# Altium PCB DesignProject_00.PcbDoc (part 2 of 2)
Units mil, origin at the board's own origin, x right, y up, seen from the top; angles counter-clockwise.
Board outline 3250 x 2010 mil, 2 copper layers (Top Layer, Bottom Layer); 143 components, 116 nets, 553 pads, 186 vias.
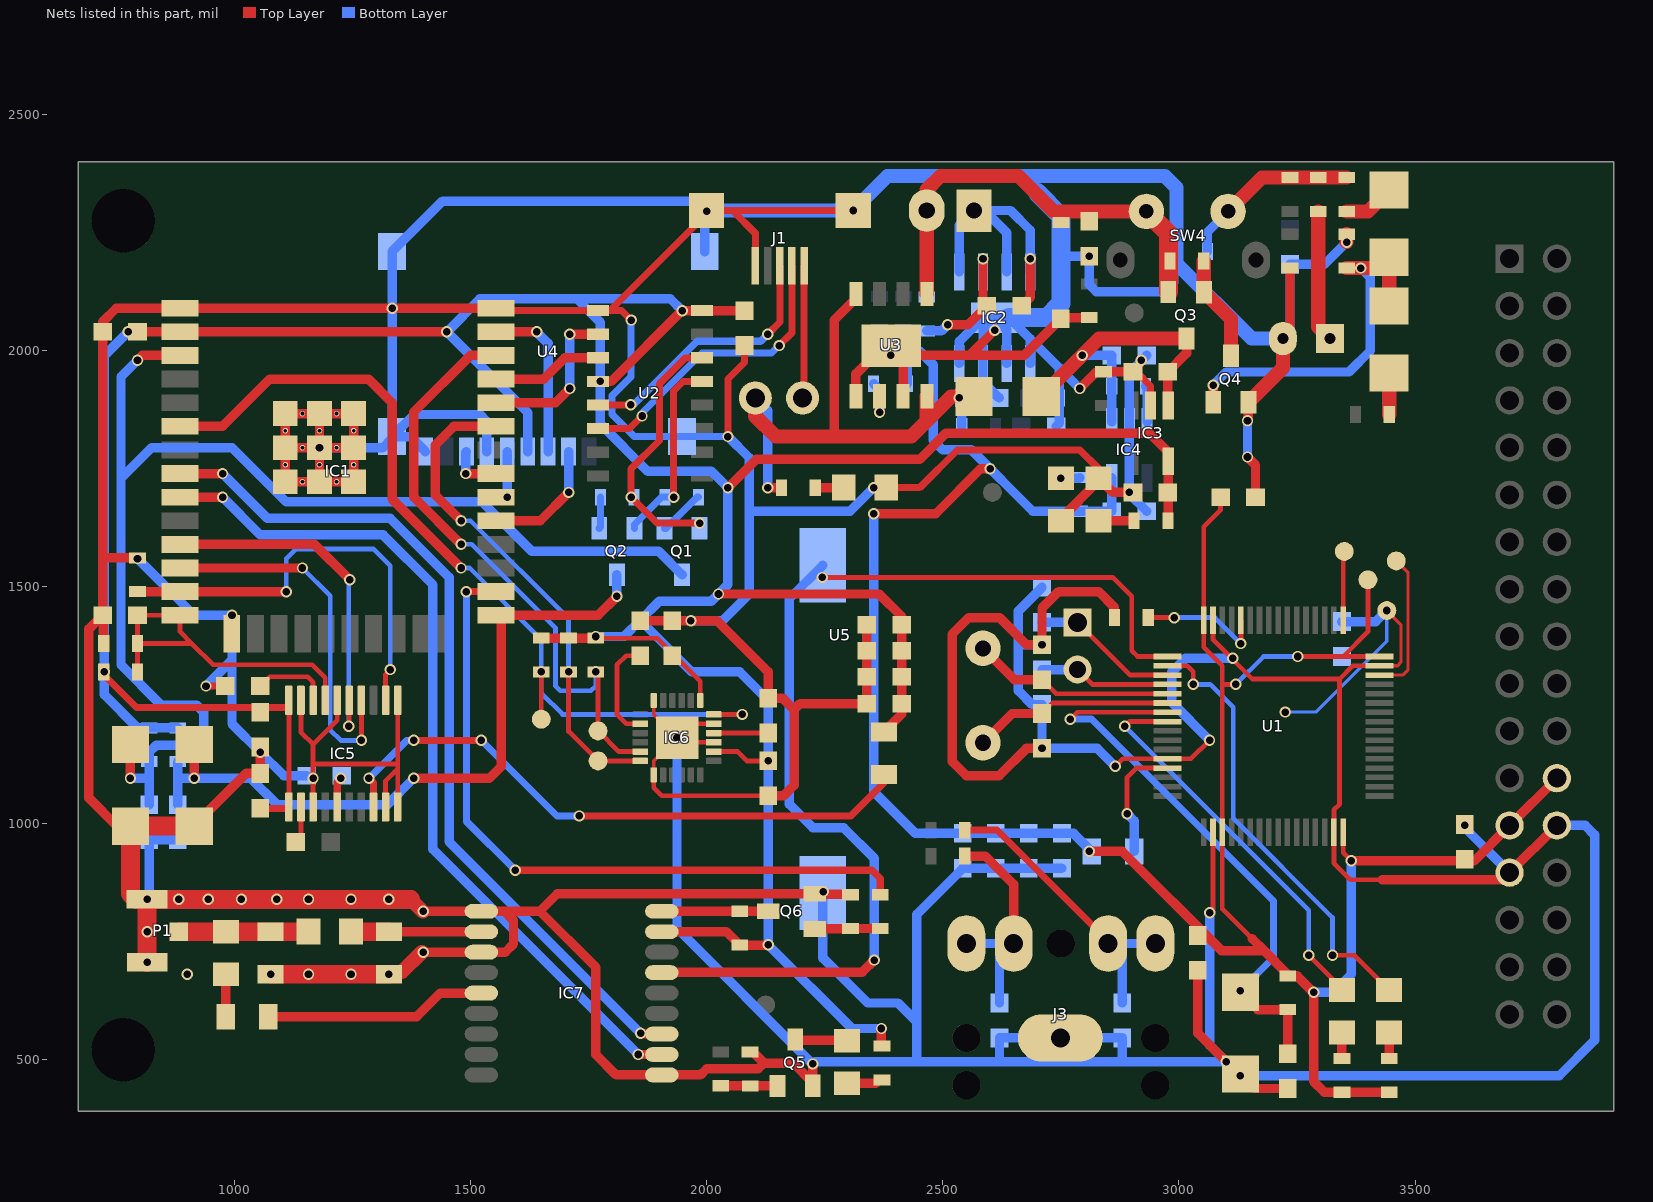
[diagram p2: the nets of this part, all layers, seen from the top]

## Via types
v1: diameter 24, hole 16, Top Layer to Bottom Layer, 182 vias
v2: diameter 39.37, hole 39.37, Top Layer to Bottom Layer, 2 vias
v3: diameter 51.18, hole 51.18, Top Layer to Bottom Layer, 1 vias
v4: diameter 59.06, hole 59.06, Top Layer to Bottom Layer, 1 vias

## Nets (pads, with @x,y where several pads share a name; then routed paths per layer and width w, separated by ;. In a path a pad name is that pad's centre, name@x,y a point inside that pad or via, vN(x,y) a via of type N, cw(c..) or ccw(c..) an arc to the next point about the centre after c; other vN are vias at no path point) (continued)
CAPP: C40.1 IC5.2 | length 78.7
  Top Layer w10: C40.1@1129.69,960 1141.1,971.41 IC5.2@1141.1,1034.02
DIN: IC1.12 IC5.14 | length 786.7
  Top Layer w10: v1(1269.06,1175) IC5.14@1269.06,1260
  Top Layer w20: IC1.12@885,1540 v1(1144.15,1540)
  Bottom Layer w10: v1(1144.15,1540) 1203.19,1480.96 1203.19,1196.81 1225,1175 v1(1269.06,1175)
DTR: Q2.2 R7.2 U2.13 | length 408.5
  Top Layer w15: v1(1930,1690) 1930,1915 1950,1935 U2.13@1990.24,1935
  Bottom Layer w15: Q2.2@1847,1624 1847,1632 1905,1690 R7.2@1911.51,1690 v1(1930,1690)
ESP_EN: C6.1 IC1.3 Q1.3 R2.1 RST.2 | length 2695.4
  Top Layer w20: v1(780,1095) RST.2@780,1166.61 ; v1(795,1980) 805,1990 IC1.3@885,1990
  Bottom Layer w20: v1(780,1095) 820,1095 ; v1(795,1980) 760,1945 760,1730 ; C6.1@820,1039 820,1095 ; Q1.3@1948,1525.79 1898.79,1575 1630,1575 1525,1680 1109.72,1680 995,1794.72 824.72,1794.72 760,1730 ; 760,1730 760,1335 845,1250 920,1250 935,1235 935,1190 910,1165 835.01,1165 820.01,1150 R2.1@820,1130 820,1095
GND: "MCU RST.1" BOOT.1 BT1.2 C1.2 C2.2 C3.2 C4.2 C5.2 C6.2 C7.1 C8.2 C9.1 C10.1 C11.1 C12.1 C13.2 C15.1 C16.1 C17.1 C18.2 C19.1 C20.1 C21.1 C22.1 C23.1 C24.1 C25.1 C26.1 C27.1 C28.1 C29.1 C30.1 C31.1 C32.1 C33.1 C34.1 C35.1 C36.1 C37.1 C38.2 C39.1 C41.1 C42.1 C43.1 C44.1 C45.1 C46.1 GND.1 IC1.1 IC1.15 IC1.38 IC1.39_1 IC1.39_2 IC1.39_3 IC1.39_4 IC1.39_5 IC1.39_6 IC1.39_7 IC1.39_8 IC1.39_9 IC1.39_10 IC1.39_11 IC1.39_12 IC1.39_13 IC1.39_14 IC1.39_15 IC1.39_16 IC1.39_17 IC1.39_18 IC1.39_19 IC1.39_20 IC1.39_21 IC2.1 IC2.2 IC2.3 IC2.4 IC2.9 IC3.2 IC4.2 IC5.3 IC5.9 IC5.10 IC5.11 IC5.16 IC5.19 IC6.1 IC6.9 IC6.11 IC6.18 IC6.25 IC7.1 IC7.10 IC7.12 J1.5 J3.5 LED3.2 LED4.2 LED5.2 P1.2 P1.3 Q4.2 Q5.2 Q6.2 R3.1 R17.1 R18.2 R19.2 R20.1 R23.1 R24.2 R25.1 R30.1 R34.2 R42.1 R43.1 RST.1 U1.12 U1.18 U1.31 U1.47 U1.63 U2.1 U3.1 U3.3 U4.6 U4.9 U4.10 U4.11 U4.12 U4.13 U5.14 U5.22 | length 30451.9
  Top Layer w7: U1.47@3424.41,1332.95 3462.95,1332.95 3470,1340 3470,1420 v1(3440,1450)
  Top Layer w8: IC6.1@1888.03,1102.05 1888.03,1131.57 v1(1937.24,1180.79) 1888.03,1230 IC6.18@1888.03,1259.53
  Top Layer w10: IC5.19@1141.1,1260 1141.1,1192.28 1166.69,1166.69 ; IC5.3@1166.69,1034.02 v1(1166.69,1095) 1166.69,1125 ; IC5.16@1217.87,1260 1217.87,1217.87 1166.69,1166.69 ; IC5.9@1320.24,1034.02 1320.24,1089.41 1345.83,1115 ; IC5.10@1345.83,1034.02 1345.83,1115 ; IC5.11@1345.83,1260 1345.83,1125 ; IC6.1@1888.03,1102.05 1888.03,1074.54 1905,1057.57 C41.1@2130.51,1057.57 ; IC6.9@2015,1170.94 1947.09,1170.94 v1(1937.24,1180.79) 1966.77,1210.32 IC6.11@2015,1210.32 ; v1(2865,1120) 2881.1,1136.1 U1.12@2975.59,1136.1 3025.36,1136.1 v1(3064.73,1175.47) ; v1(3065,810) 3072.05,817.05 U1.18@3072.05,980.59 ; U1.63@3072.05,1429.41 3072.05,1387.95 3155,1305 3340,1305 ; U1.47@3424.41,1332.95 3367.95,1332.95 3340,1305 ; 3430,880 3362.64,880 3327.95,914.68 U1.31@3327.95,980.59 3327.95,1027.95 3340,1040 3340,1305 ; 1166.69,1125 1166.69,1166.69 ; 1166.69,1125 1345.83,1125 ; 1345.83,1115 1345.83,1125
  Top Layer w15: v1(940,1290) C35.1@981,1290 ; IC1.38@1554.29,2090 1559.29,2085 U2.1@1769.76,2085 1795,2085 ; v1(1840,2065) 1820,2085 1795,2085 ; v1(2045,1818.25) 2045,1940 2080,1975 C12.1@2080,2011 ; J1.5@2103,2180 2103,2248.84 2055,2296.84 ; J1.5@2310.51,2296.84 v1(2310,2296.84) 2055,2296.84 ; LED3.2@2380,1710 2451,1710 2531,1790 2790,1790 2830,1750 LED5.2@2830,1730 ; v1(2920,1980) 2920,1972.95 C23.1@2902.6,1955.55 2909.45,1955.55 2940,1925 IC3.2@2940,1884.06 ; 1795,2085 1999.49,2289.49 J1.5@1999.49,2296.84 2055,2296.84
  Top Layer w20: R34.2@723.51,1380 722.25,1381.25 722.25,1438.75 C38.2@721,1440 ; RST.1@780,993.39 751.61,993.39 692,1053 692,1411 711.31,1430.31 711.31,1431.3 720.02,1440 C38.2@721,1440 ; R30.1@795,1561.49 722.49,1561.49 721,1560 ; BOOT.1@915,993.39 944.37,1022.76 944.37,1024.37 1025,1105 C33.1@1055,1105 v1(1055,1150) C34.1@1055,1161 ; v1@939.23,1290.77 v1(940,1290) ; IC1.15@994.65,1400.63 994.65,1439.65 v1(995,1440) ; v1@1396.61,726.61 v1(1400,726.61) IC7.12@1523.11,726.61 1573.61,726.61 1591,744 1591,794 1571.77,813.23 ; v1@1399,813 IC7.10@1524.06,813 ; IC7.10@1524.06,813.23 1571.77,813.23 ; IC1.38@1554.29,2090 v1(1334,2090) IC1.1@885,2090 750,2090 721,2061 C8.2@721,2040 721,1560 ; C44.1@1859.49,1428.49 C42.1@1927.4,1428.49 v1(1966.77,1428.49) 2022.02,1428.49 2130.51,1320 C43.1@2130.51,1264.63 2160.37,1264.63 2185,1240 ; R42.1@2092,514.96 2097.9,514.96 2121.09,491.77 ; C41.1@2130.51,1057.57 2162.57,1057.57 2185,1080 2185,1240 ; Q5.2@2224.4,443.68 Q5.2@2224.4,450.57 ; v1(2224.4,490) Q5.2@2224.4,450.57 ; R43.1@2304.72,848.23 2303.72,849.23 2229.72,849.23 Q6.2@2228.72,850.23 1683.77,850.23 1646.77,813.23 ; U3.1@2316,1903.46 2316,1951 2375.73,2010.73 U3.3@2391,2010.73 ; C21.1@2339.01,1420 C22.1@2339.01,1364.83 C19.1@2339.01,1310 C24.1@2339.01,1252.83 2197.83,1252.83 2185,1240 ; v1(2353.51,1710) LED3.2@2380,1710 ; v1(2390,1990) 2391,1991 U3.3@2391,2010.73 ; U3.3@2416,1903.46 2416,1985.73 U3.3@2391,2010.73 ; v1(2610,2043.51) 2556.49,1990 ; v1(2710,1158) 2677,1158 2619,1100 2550,1100 2520,1130 2520,1400 2555,1435 2620,1435 2677.42,1377.58 v1(2710,1377.58) 2710,1455 2745,1490 2830,1490 2863.51,1456.49 R3.1@2863.51,1435 ; LED4.2@2750,1640 2750,1645 2830,1725 LED5.2@2830,1730 2860,1700 v1(2895,1700) C20.1@2902.6,1700 ; v1(2790,1920) 2825.55,1955.55 R23.1@2840,1955.55 C23.1@2902.6,1955.55 ; R25.1@2810,2070 2752,2070 C26.1@2750,2068 2672,1990 2556.49,1990 ; C1.2@3040,688 3040,555 v1(3100,495) ; v1@3130,468.39 3160.39,438 C13.2@3230,438 ; v1(3145,1775) 3162,1758 C3.2@3162,1690 ; v1(3145,1852) 3145,1850 3147,1852 Q4.2@3147,1891 ; C18.2@3220,2025.78 3235,2040.78 R17.1@3235,2175 ; 3430,880 3685,880 U5.14@3700,895 U5.22@3800,995 ; v1(3605,995) C2.2@3605,997 ; C38.2@721,1440 721,1560 ; IC1.39_4@1108.03,1794.72 IC1.39_15@1144.15,1794.72 v1(1180.28,1794.72) ; IC1.39_4@1108.03,1794.72 IC1.39_12@1108.03,1830.85 IC1.39_1@1108.03,1866.97 IC1.39_10@1144.15,1866.97 IC1.39_2@1180.28,1866.97 ; IC1.39_4@1108.03,1794.72 IC1.39_17@1108.03,1758.6 IC1.39_7@1108.03,1722.48 IC1.39_20@1144.15,1722.48 IC1.39_8@1180.28,1722.48 ; IC1.39_8@1180.28,1722.48 IC1.39_18@1180.28,1758.6 v1(1180.28,1794.72) ; IC1.39_8@1180.28,1722.48 IC1.39_21@1216.4,1722.48 IC1.39_9@1252.52,1722.48 IC1.39_19@1252.52,1758.6 IC1.39_6@1252.52,1794.72 ; v1(1180.28,1794.72) IC1.39_13@1180.28,1830.85 IC1.39_2@1180.28,1866.97 ; v1(1180.28,1794.72) IC1.39_16@1216.4,1794.72 IC1.39_6@1252.52,1794.72 ; IC1.39_2@1180.28,1866.97 IC1.39_11@1216.4,1866.97 IC1.39_3@1252.52,1866.97 IC1.39_14@1252.52,1830.85 IC1.39_6@1252.52,1794.72 ; 1571.77,813.23 1646.77,813.23 ; 1646.77,813.23 1765,695 1765,510 1808.23,466.77 IC7.1@1905,466.77 1986.77,466.77 2000,480 2109.31,480 2121.09,491.77 ; 2121.09,491.77 2183.2,491.77 Q5.2@2224.4,450.57 ; U3.3@2391,2010.73 2433.26,2010.73 2453.99,1990 2556.49,1990
  Top Layer w30: v1(1327,679.92) 1331.69,684.61 1354.61,684.61 v1@1396.61,726.61 ; 1373.59,838.41 v1@1399,813 ; Q4.2@3147,1891 3220,1964 C18.2@3220,2025.78 ; v1(3355,2230) R19.2@3355,2246.49
  Top Layer w40: v1(815.54,705.04) 815.45,705.14 815.45,838.31 v1(815.35,838.41) ; BOOT.1@915,993.39 RST.1@780,993.39 780,850.76 792.36,838.41 v1(815.35,838.41) ; v1(1077,679.92) v1(1327,679.92) ; 1373.59,838.41 v1(1327,838.41) v1(1247,838.41) v1(1157,838.41) v1(1090,838.41) v1(1015,838.41) v1(945,838.41) v1(882,838.41) v1(815.35,838.41)
  Bottom Layer w7: v1(3225,1235) 3290,1235 3440,1385 v1(3440,1450)
  Bottom Layer w15: v1(1840,2065) 1840,1945 1800,1905 1800,1865 1846.75,1818.25 U4.13@1948,1818.25 v1(2045,1818.25)
  Bottom Layer w20: v1(795,1560) 915,1440 v1(995,1440) 995,1345 ; v1(815.35,838.41) 815.35,839.49 820,844.14 C6.2@820,965 C5.2@880,965 ; v1(940,1290) 995,1345 ; C39.1@1153,1100 1105,1100 v1(1055,1150) 995,1210 995,1345 ; v1(1157,838.41) v1@1157,839.49 ; v1(1180.28,1794.72) IC1.39_16@1216.4,1794.72 1314.47,1794.72 1334,1814.25 U4.10@1334,1818.25 ; U4.9@1404.54,1786.59 1372.89,1818.25 U4.10@1334,1818.25 ; U4.6@1534.46,1786.59 1534.46,1850.54 1520,1865 1380.75,1865 U4.10@1334,1818.25 ; v1(1937.24,1180.79) 1937.24,777.16 v1(2224.4,490) 2229.4,495 2445,495 ; v1(1966.77,1428.49) 2033.49,1428.49 2090,1485 2090,1660 ; U4.12@1996,2210 1996,2291 v1(2000,2295) 1978.16,2316.84 1440.84,2316.84 U4.11@1334,2210 v1(1334,2090) U4.10@1334,1818.25 ; v1(2045,1818.25) 2090,1773.25 2090,1660 ; v1(2247,855) 2246,854 BT1.2@2246,852 2246,714 2341,619 2405,619 2445,579 ; v1(2353.51,1710) 2303.51,1660 2090,1660 ; v1(2390,1990) 2411,1990 2425,1976 R20.1@2425,1930 ; IC2.4@2535.01,1973.01 2535.01,2020.01 2585,2070 IC2.9@2610,2070 ; v1(2610,2043.51) IC2.9@2610,2070 ; C17.1@2619.03,1900 2585.01,1934.03 IC2.3@2585.01,1973.01 2585.01,2045.01 IC2.9@2610,2070 ; IC2.2@2635.01,1973.01 2635.01,2045 IC2.9@2610,2070 ; IC2.1@2685.01,1973.01 2685.01,2024.99 ; v1(2710,1377.58) 2662.58,1377.58 2660,1375 ; C10.1@2710,1499 2660,1449 2660,1375 ; C25.1@2739.97,1840 2746.49,1846.52 R24.2@2746.49,1900 2746.49,1963.51 ; 2750,2195 2755,2200 v1(2810,2200) 2810,2140 2825,2125 2970,2125 2988.51,2143.51 R18.2@2988.51,2210 ; C30.1@2752.17,904 C27.1@2682.17,904 C28.1@2612.17,904 C29.1@2542.17,904 2445,806.83 2445,579 ; v1(2790,1920) 2746.49,1963.51 ; v1(2865,1120) 2827,1158 v1(2710,1158) C11.1@2710,1251 2689,1251 2660,1280 2660,1375 ; C32.1@2931.6,1660 2895,1696.6 v1(2895,1700) IC4.2@2895,1849.06 2895,1953.4 C31.1@2931.6,1990 ; v1(3064.73,1175.47) 2985,1255.2 2985,1320 3013.57,1348.57 v1(3113.76,1348.57) ; v1(3065,810) 3065,530 v1(3100,495) ; v1(3145,1775) v1(3145,1852) ; C18.2@3220,2025.78 3235,2040.78 C16.1@3235,2183 3308,2183 v1(3355,2230) ; C4.2@3345,1426.64 3416.64,1426.64 v1(3440,1450) ; v1(3605,995) 3605,990 U5.14@3700,895 ; U5.22@3800,995 3860,995 3880,975 3880,540 3805,465 v1(3130,465) v1(3100,495) ; 2445,495 2620,495 ; 2445,495 2445,579 ; IC2.9@2610,2070 2640,2070 2685.01,2024.99 ; 2620,495 J3.5@2750,495 ; 2620,495 C37.1@2620,545 J3.5@2749,545 ; 2685.01,2024.99 2746.49,1963.51 ; J3.5@2749,545 2749,496 J3.5@2750,495 ; J3.5@2749,545 C36.1@2880,545 2880,495 ; J3.5@2750,495 2880,495 ; 2880,495 v1(3100,495)
  Bottom Layer w30: v1(2000,2295) 2001.84,2296.84 v1(2310,2296.84) 2383.16,2370 2665,2370 ; 2700,2335 2665,2370 ; C18.2@3220,2025.78 3154.22,2025.78 2995,2185 2995,2345 2970,2370 2665,2370
  Bottom Layer w40: IC2.9@2640,2070 2720,2070 2750,2100 2750,2195 2750,2285 2700,2335
  other v1: 900,679.92 1157,679.92 1247,679.92 815.35,769.92 1400,813.23
GPS_EN: IC7.9 Q6.3 R39.2 | length 225.5
  Top Layer w20: IC7.9@1905,813.23 R39.2@2070,813.23 Q6.3@2130.51,813.23
GPS_RX: IC1.8 IC7.3 | length 1839.6
  Top Layer w20: IC1.8@885,1740 v1(975,1740) ; v1(1860,555) 1860.77,554.23 1904.15,554.23 IC7.3@1905,553.39
  Bottom Layer w20: v1(975,1740) 1070,1645 1330,1645 1455,1520 1455,960 v1(1860,555)
GPS_TX: IC1.9 IC7.2 | length 1836.8
  Top Layer w20: IC1.9@885,1690 v1(975,1690) ; v1(1855,510) v1(1855,510) 1904.96,510.04 IC7.2@1905,510.08
  Bottom Layer w20: v1(975,1690) 1055,1610 1315,1610 1420,1505 1420,945 v1(1855,510)
INT: IC1.6 IC6.12 INT.1 R37.2 | length 1871.3
  Top Layer w10: INT.1@1650,1220 v1(1650,1320) ; IC6.12@2015,1230 v1(2075,1230)
  Top Layer w20: IC1.6@885,1840 975,1840 1075,1940 1284,1940 1334,1890 1334,1686 v1(1480,1540)
  Bottom Layer w10: v1(1480,1540) 1498.11,1540 1650,1388.11 v1(1650,1320) 1650,1275 1695,1230 v1(2075,1230)
IO0: BOOT.2 C5.1 IC1.25 Q2.3 R1.1 | length 1545.6
  Top Layer w20: v1(915,1095) BOOT.2@915,1166.61 ; v1(1380,1095) 1540,1095 1565,1120 1565,1432.28 IC1.25@1557.28,1440 ; IC1.25@1554.29,1440 IC1.25@1557.28,1440 ; v1(1810,1480) 1770,1440 1565,1440 IC1.25@1557.28,1440
  Bottom Layer w20: C5.1@880,1039 880,1095 ; R1.1@880,1130 880,1095 ; v1(1380,1095) 1324,1039 1090,1039 1034,1095 v1(915,1095) 880,1095 ; v1(1810,1480) Q2.3@1810,1525.79
LED0: LED2.2 U1.2 | length 953.7
  Top Layer w10: U1.2@2975.59,1332.95 3017.05,1332.95 3030,1320 v1(3030,1293.58) ; v1(3325,720) 3371.49,720 LED2.2@3445,646.49
  Bottom Layer w10: v1(3030,1293.58) 3066.42,1293.58 3115,1245 3115,1010 3325,800 v1(3325,720)
LED1: LED1.2 U1.8 | length 843.7
  Top Layer w10: v1(2885,1205) 2894.84,1214.84 U1.8@2975.59,1214.84 ; v1(3275,720) 3345,650 LED1.2@3345,646.49
  Bottom Layer w10: v1(2885,1205) 3275,815 v1(3275,720)
LRCK: IC1.11 IC5.15 | length 757.4
  Top Layer w10: v1(1242.06,1205) 1243.53,1206.47 1243.46,1206.54 IC5.15@1243.46,1260
  Top Layer w20: IC1.11@885,1590 1169.65,1590 v1(1244.65,1515)
  Bottom Layer w10: v1(1242.06,1205) 1242.06,1512.41 v1(1244.65,1515)
NetC14_1: C14.1 IC2.5 IC2.7 IC2.8 JP1.1 | length 623.7
  Top Layer w20: C14.1@2667,2095 2685,2113 v1(2685,2195)
  Bottom Layer w20: IC2.5@2535.01,2167.01 2535.01,2265.85 JP1.1@2566,2296.84 JP1.1@2588.16,2296.84 ; IC2.7@2635.01,2167.01 2635.01,2249.99 JP1.1@2588.16,2296.84 ; IC2.8@2685.01,2167.01 2685.01,2254.99 2643.16,2296.84 JP1.1@2588.16,2296.84
NetC14_2: C14.2 IC2.6 R9.2 | length 252.3
  Top Layer w20: v1(2510,2055) 2553,2055 C14.2@2593,2095 2585,2103 v1(2585,2195)
  Bottom Layer w20: R9.2@2466,2042.02 2497.02,2042.02 v1(2510,2055)
NetC18_1: C18.1 R14.2 | length 279.6
  Top Layer w30: R14.2@3295,2295 3295,2050.78 C18.1@3320,2025.78
NetC35_2: C35.2 IC5.18 | length 163.1
  Top Layer w10: C35.2@1055,1290 1075,1310 1155,1310 1166.69,1298.31 IC5.18@1166.69,1260
NetC36_2: C36.2 J3.1 J3.2 R32.1 | length 643.9
  Top Layer w15: R32.1@2546.49,985 2615,985 2850,750 J3.2@2850,745
  Bottom Layer w20: C36.2@2880,619 2880,716 2851,745 J3.1@2950,745 J3.1@2951,745
NetC37_2: C37.2 J3.3 J3.4 R31.1 | length 492.2
  Top Layer w20: R31.1@2546.49,930 2590,930 2650,870 J3.3@2650,745
  Bottom Layer w20: J3.4@2551,745 J3.3@2650,745 2651,745 2620,714 C37.2@2620,619
NetC39_2: C39.2 IC5.5 | length 63.9
  Top Layer w15: IC5.5@1217.87,1034.02 1217.87,1087.87 v1(1225,1095)
NetC43_2: C43.2 IC6.10 | length 115.5
  Top Layer w10: IC6.10@2015,1190.63 C43.2@2130.51,1190.63
NetC44_2: C44.2 IC6.20 | length 220.2
  Top Layer w10: IC6.20@1859.49,1210.32 1829.68,1210.32 1810,1230 1810,1335 1829.49,1354.49 C44.2@1859.49,1354.49
NetC45_2: C45.2 L1.1 L2.1 P1.1 | length 275
  Top Layer w40: P1.1@882,769.92 L1.1@982,769.92 C45.2@1077,769.92 L2.1@1157,769.92
NetC46_2: C46.2 IC7.11 L2.2 | length 277.1
  Top Layer w20: C46.2@1327,769.92 IC7.11@1524.05,769.92
  Top Layer w40: L2.2@1247,769.92 C46.2@1327,769.92
NetDIO1_1: DIO1.1 R12.2 | length 108.6
  Top Layer w30: R12.2@3355,2295 3400,2295 DIO1.1@3445,2340
NetDIO1_2: DIO1.2 DIO2.2 Q4.1 R19.1 | length 784.8
  Top Layer w20: v1(3072.39,1927.23) 3072.6,1927.03 Q4.1@3072.6,1890.79
  Top Layer w30: R19.1@3355,2175 3422.2,2175 DIO1.2@3445,2197.8 DIO2.2@3445,2095
  Bottom Layer w20: v1(3072.39,1927.23) 3100.16,1955 3360,1955 3405,2000 3405,2155 v1(3385,2175)
NetDIO2_1: DIO2.1 R13.1 | length 87.8
  Top Layer w30: R13.1@3445,1865 DIO2.1@3445,1952.8
NetFB3_1: FB3.1 L1.2 | length 90
  Top Layer w20: FB3.1@982,589.92 L1.2@982,679.92
NetIC1_26: IC1.26 R41.2 | length 1510.2
  Top Layer w15: v1(1491.16,1490) IC1.26@1554.29,1490 ; v1(1595,900) 2350,900 2367.5,882.5 R41.2@2367.5,848.23
  Bottom Layer w15: v1(1491.16,1490) 1491.16,1003.84 v1(1595,900)
NetIC4_3: IC4.3 R26.2 | length 77.3
  Bottom Layer w20: R26.2@2929.09,1925 2932.4,1921.68 IC4.3@2932.4,1849.06
NetJ1_1: J1.1 J2.2 | length 281.3
  Top Layer w15: J2.2@2203,1900 2206.18,1903.18 J1.1@2206.18,2180
NetLED1_1: LED1.1 R4.2 | length 55
  Top Layer w20: R4.2@3345,501.49 LED1.1@3345,556.49
NetLED2_1: LED2.1 R5.2 | length 55
  Top Layer w20: R5.2@3445,501.49 LED2.1@3445,556.49
NetLED3_1: LED3.1 R27.1 | length 60
  Top Layer w20: R27.1@2230,1710 LED3.1@2290,1710
NetLED4_1: LED4.1 R28.1 | length 40.6
  Bottom Layer w20: v1(2750,1730) 2788.51,1730 R28.1@2790,1731.49
NetLED5_1: LED5.1 R29.1 | length 75.1
  Top Layer w20: LED5.1@2830,1640 R29.1@2905.11,1640
NetLED6_1: LED6.1 R38.2 | length 77.1
  Top Layer w20: LED6.1@2297,448.77 2357.59,448.77 2365.1,456.28 R38.2@2371,456.28
NetLED6_2: LED6.2 Q5.3 | length 110.9
  Top Layer w20: Q5.3@2187.4,541.89 2188.96,540.33 2295.44,540.33 LED6.2@2297,538.77
NetQ1_1: Q1.1 R7.1 | length 99.7
  Bottom Layer w15: Q1.1@1910.6,1624.21 1914.21,1624.21 1980,1690 R7.1@1983,1690
NetQ2_1: Q2.1 R8.1 | length 66.8
  Bottom Layer w15: Q2.1@1772.6,1624.21 1775,1626.61 R8.1@1775,1690
NetQ3_1: Q3.1 Q4.3 R10.2 | length 224.6
  Top Layer w30: R10.2@3052.49,2190 3052.49,2124.71 Q3.1@3053.2,2124 3110,2067.2 Q4.3@3110,1989.21
NetQ5_1: Q5.1 R40.1 R42.2 | length 120.1
  Top Layer w20: R40.1@2030,443.68 2091.79,443.68 R42.2@2092,443.46 Q5.1@2150,443.46
NetQ6_1: Q6.1 R41.1 R43.2 | length 139
  Top Layer w20: Q6.1@2228.93,775.83 2229.39,776.28 2304.27,776.28 R43.2@2304.73,776.74 R41.1@2367.51,776.74
NetR3_2: R3.2 U1.60 | length 268.3
  Top Layer w10: R3.2@2935,1435 v1(2990,1435) ; v1(3131.1,1380) U1.60@3131.1,1429.41
  Bottom Layer w10: v1(2990,1435) 3076.1,1435 v1(3131.1,1380)
NetR11_1: R11.1 R12.1 R14.1 R18.1 SW4.1 | length 383.8
  Top Layer w30: SW4.1@3104,2295 3175.49,2366.49 R11.1@3235,2366.49 R14.1@3295,2366.49 R12.1@3355,2366.49
  Bottom Layer w20: R18.1@3060,2210 3060,2251 SW4.1@3104,2295
NetR20_2: R20.2 U3.2 | length 98.6
  Top Layer w20: v1(2366,1870) U3.2@2366,1903.46
  Bottom Layer w20: R20.2@2353.51,1930 2366,1917.52 v1(2366,1870)
RTS: Q1.2 R8.2 U2.14 | length 545.7
  Top Layer w15: v1(1985,1635) 1895,1635 v1(1840,1690) 1840,1750 1900,1810 1900,1930 1955,1985 U2.14@1990.24,1985
RXI: IC1.35 U2.3 | length 234.1
  Top Layer w20: IC1.35@1554.29,1940 1655,1940 1700,1985 U2.3@1769.76,1985
S_SCL: IC1.36 IC6.23 R35.1 SCL.1 | length 1297.5
  Top Layer w10: R35.1@1770,1320 SCL.1@1770,1195 1813.74,1151.26 IC6.23@1859.49,1151.26
  Top Layer w20: v1(1480,1590) 1380,1690 1380,1870 1500,1990 IC1.36@1554.29,1990
  Bottom Layer w10: v1(1480,1590) 1502.77,1590 1680,1412.77 1680,1290 1690,1280 1755,1280 1765,1290 v1(1765,1320)
S_SDA: IC1.33 IC6.24 R36.1 SDA.1 | length 1058.4
  Top Layer w10: v1(1707.69,1320) 1707.69,1193.88 SDA.1@1770,1131.57 IC6.24@1859.49,1131.57
  Top Layer w20: v1(1480,1640) 1425,1695 1425,1800 1465,1840 IC1.33@1554.29,1840
  Bottom Layer w10: v1(1480,1640) 1500,1640 1707.69,1432.31 v1(1707.69,1320)
SCK: IC1.13 IC5.12 R30.2 | length 916.8
  Top Layer w10: IC5.12@1320.24,1260 1320.24,1315.24 v1(1330,1325)
  Top Layer w20: R30.2@795,1490 IC1.13@885,1490 v1(1110,1490)
  Bottom Layer w10: v1(1110,1490) 1110,1560 1130,1580 1295,1580 1330,1545 v1(1330,1325)
SD_CS: IC1.29 U4.2 | length 264.8
  Top Layer w20: IC1.29@1554.29,1640 1647.69,1640 v1(1707.69,1700)
  Bottom Layer w20: v1(1707.69,1700) U4.2@1707.69,1786.59
SD_MISO: IC1.31 U4.7 | length 111.4
  Top Layer w20: v1(1490,1740) IC1.31@1554.29,1740
  Bottom Layer w20: v1(1490,1740) 1490,1785.44 U4.7@1491.16,1786.59
SD_MOSI: IC1.37 U4.3 | length 349.2
  Top Layer w20: IC1.37@1554.29,2040 v1(1640,2040)
  Bottom Layer w20: v1(1640,2040) 1664.39,2015.61 U4.3@1664.39,1786.59
SD_SCLK: IC1.30 U4.5 | length 120.1
  Top Layer w20: IC1.30@1554.29,1690 v1(1577.77,1690)
  Bottom Layer w20: v1(1577.77,1690) U4.5@1577.77,1786.59
STM_EN: "MCU RST.2" C13.1 R6.1 U1.7 | length 1231.6
  Top Layer w10: v1(2770,1220) 2784.53,1234.53 U1.7@2975.59,1234.53
  Top Layer w20: v1(3130,645) 3130,641.61 3166.61,605 R6.1@3230,605 C13.1@3230,512
  Bottom Layer w15: v1(2770,1220) 2815,1220 3200,835 3200,715 v1(3130,645)
SWCLK: SWCLK.1 U1.49 | length 146.6
  Top Layer w10: U1.49@3347.64,1429.41 3347.64,1572.64 SWCLK.1@3350,1575
SWDIO: SWIO.1 U1.46 | length 305.8
  Top Layer w7: U1.46@3424.41,1313.27 3473.27,1313.27 3485,1325 3485,1530 SWIO.1@3460,1555
TXO: IC1.34 U2.2 | length 342.9
  Top Layer w20: IC1.34@1554.29,1890 1680,1890 v1(1710,1920) ; v1(1710,2035) U2.2@1769.76,2035
  Bottom Layer w20: v1(1710,1920) v1(1710,2035)
U_N: J1.2 U2.6 | length 640.6
  Top Layer w15: U2.6@1769.76,1835 1836.36,1835 v1(1863.18,1861.82) ; v1(2153.45,2010.96) 2180.3,2037.8 2180.3,2179.7 J1.2@2180.59,2180
  Bottom Layer w15: v1(1863.18,1861.82) 1863.18,1868.18 1990,1995 2137.49,1995 v1(2153.45,2010.96)
U_P: J1.3 U2.5 | length 577.6
  Top Layer w15: U2.5@1769.76,1885 1838.28,1885 v1(1839.14,1885.86) ; v1(2129.41,2035) 2155.3,2060.89 2155.3,2179.7 J1.3@2155,2180
  Bottom Layer w15: v1(1839.14,1885.86) 1845.5,1885.86 1979.64,2020 2114.41,2020 v1(2129.41,2035)
V_MAIN: C23.2 C31.2 DIO3.2 IC3.1 IC4.1 Q3.2 R26.1 | length 720.6
  Top Layer w20: IC3.1@2977.4,1884.06 2976.6,1884.86 C23.2@2976.6,1955.55 3016,1994.95 Q3.2@3016,2025.78
  Top Layer w30: DIO3.2@2708.2,1903 2830.99,2025.78 Q3.2@3016,2025.78
  Bottom Layer w20: v1(2795,1990) C31.2@2857.6,1990 R26.1@2857.6,1925 IC4.1@2857.6,1849.06
VBAT: C15.2 JP1.2 Q3.3 R9.1 R10.1 R22.2 SW4.2 U3.5 | length 1154.6
  Top Layer w20: 2735,2295 2750,2280 R22.2@2750,2271.49
  Top Layer w30: U3.5@2466,2120 JP1.2@2466,2296.84 2466,2341 2495,2370 2660,2370 2735,2295 2810,2295 ; C15.2@2810,2274 2810,2295 ; SW4.2@2931,2295 2810,2295
  Top Layer w40: SW4.2@2931,2295 2977.41,2248.59 Q3.3@2977.41,2124.21
  Bottom Layer w20: R9.1@2465,2116 R9.1@2466,2115 ; R9.1@2466,2113.51 R9.1@2466,2115 ; JP1.2@2466,2296.84 R9.1@2466,2115
VBKP: BT1.1 IC7.6 U1.1 | length 2305.4
  Top Layer w10: v1(2245,1520) 2860,1520 2900,1480 2900,1365 2912.36,1352.64 U1.1@2975.59,1352.64
  Top Layer w20: IC7.6@1905.94,683.31 1906.79,684.15 2329.15,684.15 v1(2355,710)
  Bottom Layer w20: BT1.1@2246,1546 2175,1475 2175,1040 2225,990 2290,990 2355,925 v1(2355,710)
VCC1: C1.1 C2.1 C3.1 C4.1 C27.2 C28.2 C29.2 C30.2 C32.2 FB2.1 IC4.5 R4.1 R5.1 R6.2 R15.1 R16.1 R28.2 U1.19 U1.32 U1.48 U1.64 U5.13 U5.23 VCC.1 | length 5741.1
  Top Layer w10: C3.1@3088,1690 3088,1663 3052.36,1627.36 U1.64@3052.36,1429.41 3052.36,1372.32 3091.73,1332.95 3091.73,1293.58 ; v1(3120,1293.58) 3091.73,1293.58 ; 3155,755 3091.73,818.27 U1.19@3091.73,980.59 3091.73,1293.58 ; v1(3251.57,1352.64) 3347.64,1352.64 ; U1.32@3347.64,980.59 3347.64,937.36 v1(3365,920) ; VCC.1@3400,1515 3400,1405 3347.64,1352.64 ; U1.48@3424.41,1352.64 3347.64,1352.64
  Top Layer w20: v1(2353.51,1655) 2485,1655 2580,1750 v1(2600,1750) ; v1(2810,940) 2880,940 3090,730 3180,730 ; 3155,755 3180,730 ; v1(3365,920) 3625,920 U5.13@3700,995 U5.23@3800,1095 ; R5.1@3445,430 R4.1@3345,430 3308,430 3285,453 v1(3285,641.49) 3250,676.49 R6.2@3230,676.49 3230,680 3180,730
  Bottom Layer w10: v1(3120,1293.58) 3179.06,1352.64 v1(3251.57,1352.64) C4.1@3345,1352.64
  Bottom Layer w20: v1(2353.51,1655) 2353.51,1066.49 2442,978 C29.2@2542.17,978 C28.2@2612.17,978 C27.2@2682.17,978 C30.2@2752.17,978 2777,978 FB2.1@2815,940 ; R16.1@2366,2043.51 R15.1@2416,2043.51 2416,2034 2480,1970 2480,1810 2500,1790 2560.52,1790 2690.52,1660 R28.2@2790,1660 C32.2@2857.6,1660 IC4.5@2857.6,1730.94 ; v1(3285,641.49) 3326.49,641.49 3365,680 v1(3365,920)
VCC1A: FB2.2 U1.13 | length 256.7
  Top Layer w10: v1(2890,1020) 2890,1096.73 2909.68,1116.42 U1.13@2975.59,1116.42
  Bottom Layer w20: v1(2890,1020) 2905,1005 FB2.2@2905,940
VCC2: C8.1 C12.2 C19.2 C20.2 C21.2 C22.2 C24.2 C33.2 C34.2 C41.2 C42.2 FB1.1 IC1.2 IC3.5 IC5.1 IC5.20 IC6.8 IC6.13 IC7.8 R1.2 R2.2 R29.2 R33.1 R35.2 R36.2 R37.1 R38.1 R39.1 U2.4 U2.16 U4.4 | length 8543.2
  Top Layer w10: IC5.1@1115.51,1034.02 1115.51,1245 IC5.20@1115.51,1260 ; R35.2@1765,1391.49 1895.28,1391.49 1986.46,1300.31 IC6.13@1986.46,1259.53 ; IC6.8@2015,1151.26 2065.32,1151.26 2085,1131.57 v1(2130.51,1131.57)
  Top Layer w15: v1(725,1320) 725,1312.6 792.6,1245 1045,1245 C34.2@1055,1235 ; C33.2@1055,1031 1114.94,1031 1115.51,1031.57 IC5.1@1115.51,1034.02 ; C34.2@1055,1245 IC5.20@1115.51,1245
  Top Layer w20: v1(775,2040) C8.1@795,2040 IC1.2@885,2040 v1(1450,2040) ; R37.1@1650,1391.49 R35.2@1765,1391.49 ; U2.4@1769.76,1935 v1(1775,1935) 1798,1935 v1(1948,2085) U2.16@1990.24,2085 C12.2@2080,2085 ; IC7.8@1905,769.92 2041.82,769.92 R39.1@2070,741.74 2130.25,741.74 v1(2130.51,742) ; v1(2025,1485) 2365,1485 2413.01,1436.99 C21.2@2413.01,1420 C22.2@2413.01,1364.83 C19.2@2413.01,1310 C24.2@2413.01,1252.83 2413.01,1230.83 FB1.1@2375.01,1192.83 ; v1(2045,1710) 2105,1770 2451,1770 2506,1825 2938.04,1825 2977.4,1785.64 IC3.5@2977.4,1765.94 2977.4,1640.8 R29.2@2976.6,1640 ; R38.1@2366.33,529.59 2369.19,529.59 R38.1@2370,528.77 ; v1(2370,565) R38.1@2370,528.77 ; R38.1@2371,527.77 R38.1@2370,528.77
  Bottom Layer w20: v1(775,2040) 725,1990 v1(725,1320) 725,1271.49 795,1201.49 R2.2@820.01,1201.49 R1.2@880,1201.49 ; U4.4@1621.08,1786.59 1621.08,1868.92 v1(1450,2040) 1520,2110 1725,2110 ; v1(1765,1395) 1825,1395 1859.25,1429.25 ; v1(1948,2085) 1923,2110 1725,2110 ; v1(2370,565) 2307.51,565 v1(2130.51,742) v1(2130.51,1131.57) 2130.51,1259.49 2070,1320 1968.49,1320 1859.25,1429.25 ; 1725,2110 1775,2060 v1(1775,1935) 1775,1845 1875,1745 2010,1745 v1(2045,1710) 2045,1505 v1(2025,1485) 2010,1470 1900,1470 1859.25,1429.25
VCC2A: FB1.2 IC5.8 | length 1301.7
  Top Layer w15: v1(1285,1095) 1285.86,1095 1294.65,1086.21 IC5.8@1294.65,1034.02 ; v1(1380,1175) v1(1523.11,1175) ; v1(1730,1015) 2305,1015 2375.01,1085.01 FB1.2@2375.01,1102.83
  Bottom Layer w15: v1(1285,1095) 1365,1175 v1(1380,1175) ; v1(1523.11,1175) 1683.11,1015 v1(1730,1015)
VCHRG: C17.2 DIO3.1 J2.1 R21.1 R27.2 U3.4 U3.8 | length 1230
  Top Layer w20: v1(2129.41,1710) R27.2@2158.51,1710 ; 2270,1818.25 2270,2065 2316,2111 U3.8@2316,2120
  Top Layer w30: J2.1@2103,1900 2103,1861.41 2146.16,1818.25 2270,1818.25 2433.25,1818.25 2466,1851 ; U3.4@2466,1903.46 2466,1851 ; DIO3.1@2566,1903 2518,1903 2466,1851
  Bottom Layer w20: J2.1@2103,1900 2129.41,1873.59 v1(2129.41,1710) ; R21.1@2540,1840 2540,1895.01 v1(2535.01,1900) C17.2@2545.03,1900
VRF: FB3.2 IC7.14 | length 472.8
  Top Layer w20: FB3.2@1072,589.92 1385.92,589.92 1436,640 IC7.14@1524.06,640
XSMT: C38.1 IC1.14 IC5.17 R33.2 R34.1 | length 755.3
  Top Layer w10: R33.2@795,1320 R34.1@795,1380 ; IC5.17@1192.28,1260 1192.28,1307.72 1165,1335 955,1335 910,1380 ; R34.1@795,1380 910,1380 ; R34.1@795,1380 C38.1@795,1440 IC1.14@885,1440 885,1405 910,1380
XT32_IN: C10.2 U1.3 Y1.1 | length 311.9
  Top Layer w10: Y1.1@2785,1425 2896.73,1313.27 U1.3@2975.59,1313.27
  Bottom Layer w20: C10.2@2710,1425 Y1.1@2785,1425
XT32_OUT: C11.2 U1.4 Y1.2 | length 278.6
  Top Layer w10: Y1.2@2785,1325 2816.42,1293.58 U1.4@2975.59,1293.58
  Bottom Layer w20: C11.2@2710,1325 Y1.2@2785,1325
XT_IN: C7.2 U1.5 X1.2 | length 430.4
  Top Layer w10: C7.2@2710,1303.58 2739.69,1273.9 U1.5@2975.59,1273.9
  Top Layer w20: X1.2@2585,1370 2651.42,1303.58 C7.2@2710,1303.58
XT_OUT: C9.2 U1.6 X1.1 | length 425.5
  Top Layer w10: C9.2@2710,1232 2732.21,1254.21 U1.6@2975.59,1254.21
  Top Layer w20: X1.1@2585,1170 2647,1232 C9.2@2710,1232
pads on no net: IC1.4 IC1.5 IC1.7 IC1.16 IC1.17 IC1.18 IC1.19 IC1.20 IC1.21 IC1.22 IC1.23 IC1.24 IC1.32 IC3.4 IC4.4 IC6.2 IC6.3 IC6.4 IC6.5 IC6.6 IC6.7 IC6.14 IC6.15 IC6.16 IC6.17 IC6.19 IC6.21 IC6.22 IC7.5 IC7.7 IC7.13 IC7.15 IC7.16 IC7.17 IC7.18 J1.4 J3.0 SW4.G1 SW4.G2 U1.43 U1.44 U1.45 U1.50 U1.53 U1.54 U2.7 U2.8 U2.9 U2.10 U2.11 U2.12 U2.15 U4.1 U4.8 U5. U5.19 U5.21 U5.24
copper on no net:
  other v2: 1468,2213 1789,2213
  other v3: 2247,1065
  other v4: 2246,1358

## Polygon pours and split planes (outlines as drawn)
GND on Bottom Layer "GND_L02_P000" (solid, remove dead copper, pour order 0): 670.04,2400 854.79,2400 855,2130 1585,2130 1585,2400 3920,2400 3920,390 670,390
GND on Top Layer "GND_L01_P001" (solid, remove dead copper, pour order 1): 670,2400 855,2400 855,2130 1585,2130 1585,2400 3920,2400 3920,390 670,390

## Keep-outs
Keep-Out Layer:
  the board outline again, w10

## Silkscreen, mask and mechanical layers (free items; w line width, h text height)
Top Overlay:
  circle w5: c1755,985 r29.15
  circle w5: c765,2275 r68.01
  circle w5: c765,520 r68.01
  lines w5: 1680,970 1665,985 ; 1680,1000 1665,985 ; 1740,1060 1755,1075 ; 1770,1060 1755,1075 ; 2055,1795 2070,1795 ; 3515,390 3515,2390 3515,2400 ; 1665,985 1755,985 1755,1075
  lines w10: 670,925 2430,925 2430,390
  text "Design Project / 20231" at 1580.56,2280 h25
  text "+" at 2380,2278.34 h40
  text "JOGGER ASSISTANT" at 1763,1563 h40
  text "X" at 1789,1076 h20
  text "Z" at 1806,961 h20
  text "Y" at 1659,951 h20
  text "Designed by Vento" at 887,442 h30
Bottom Overlay:
  text "+" at 2355,2278.34 h40

## Text inside footprints (layer, text, board x,y; h text height)
IC1: Mechanical 13 "ANTENNA" at 983.43,2237.24 h20